# Altium PCB Magnetic-Sequencer.PcbDoc (part 3 of 3) (continued)
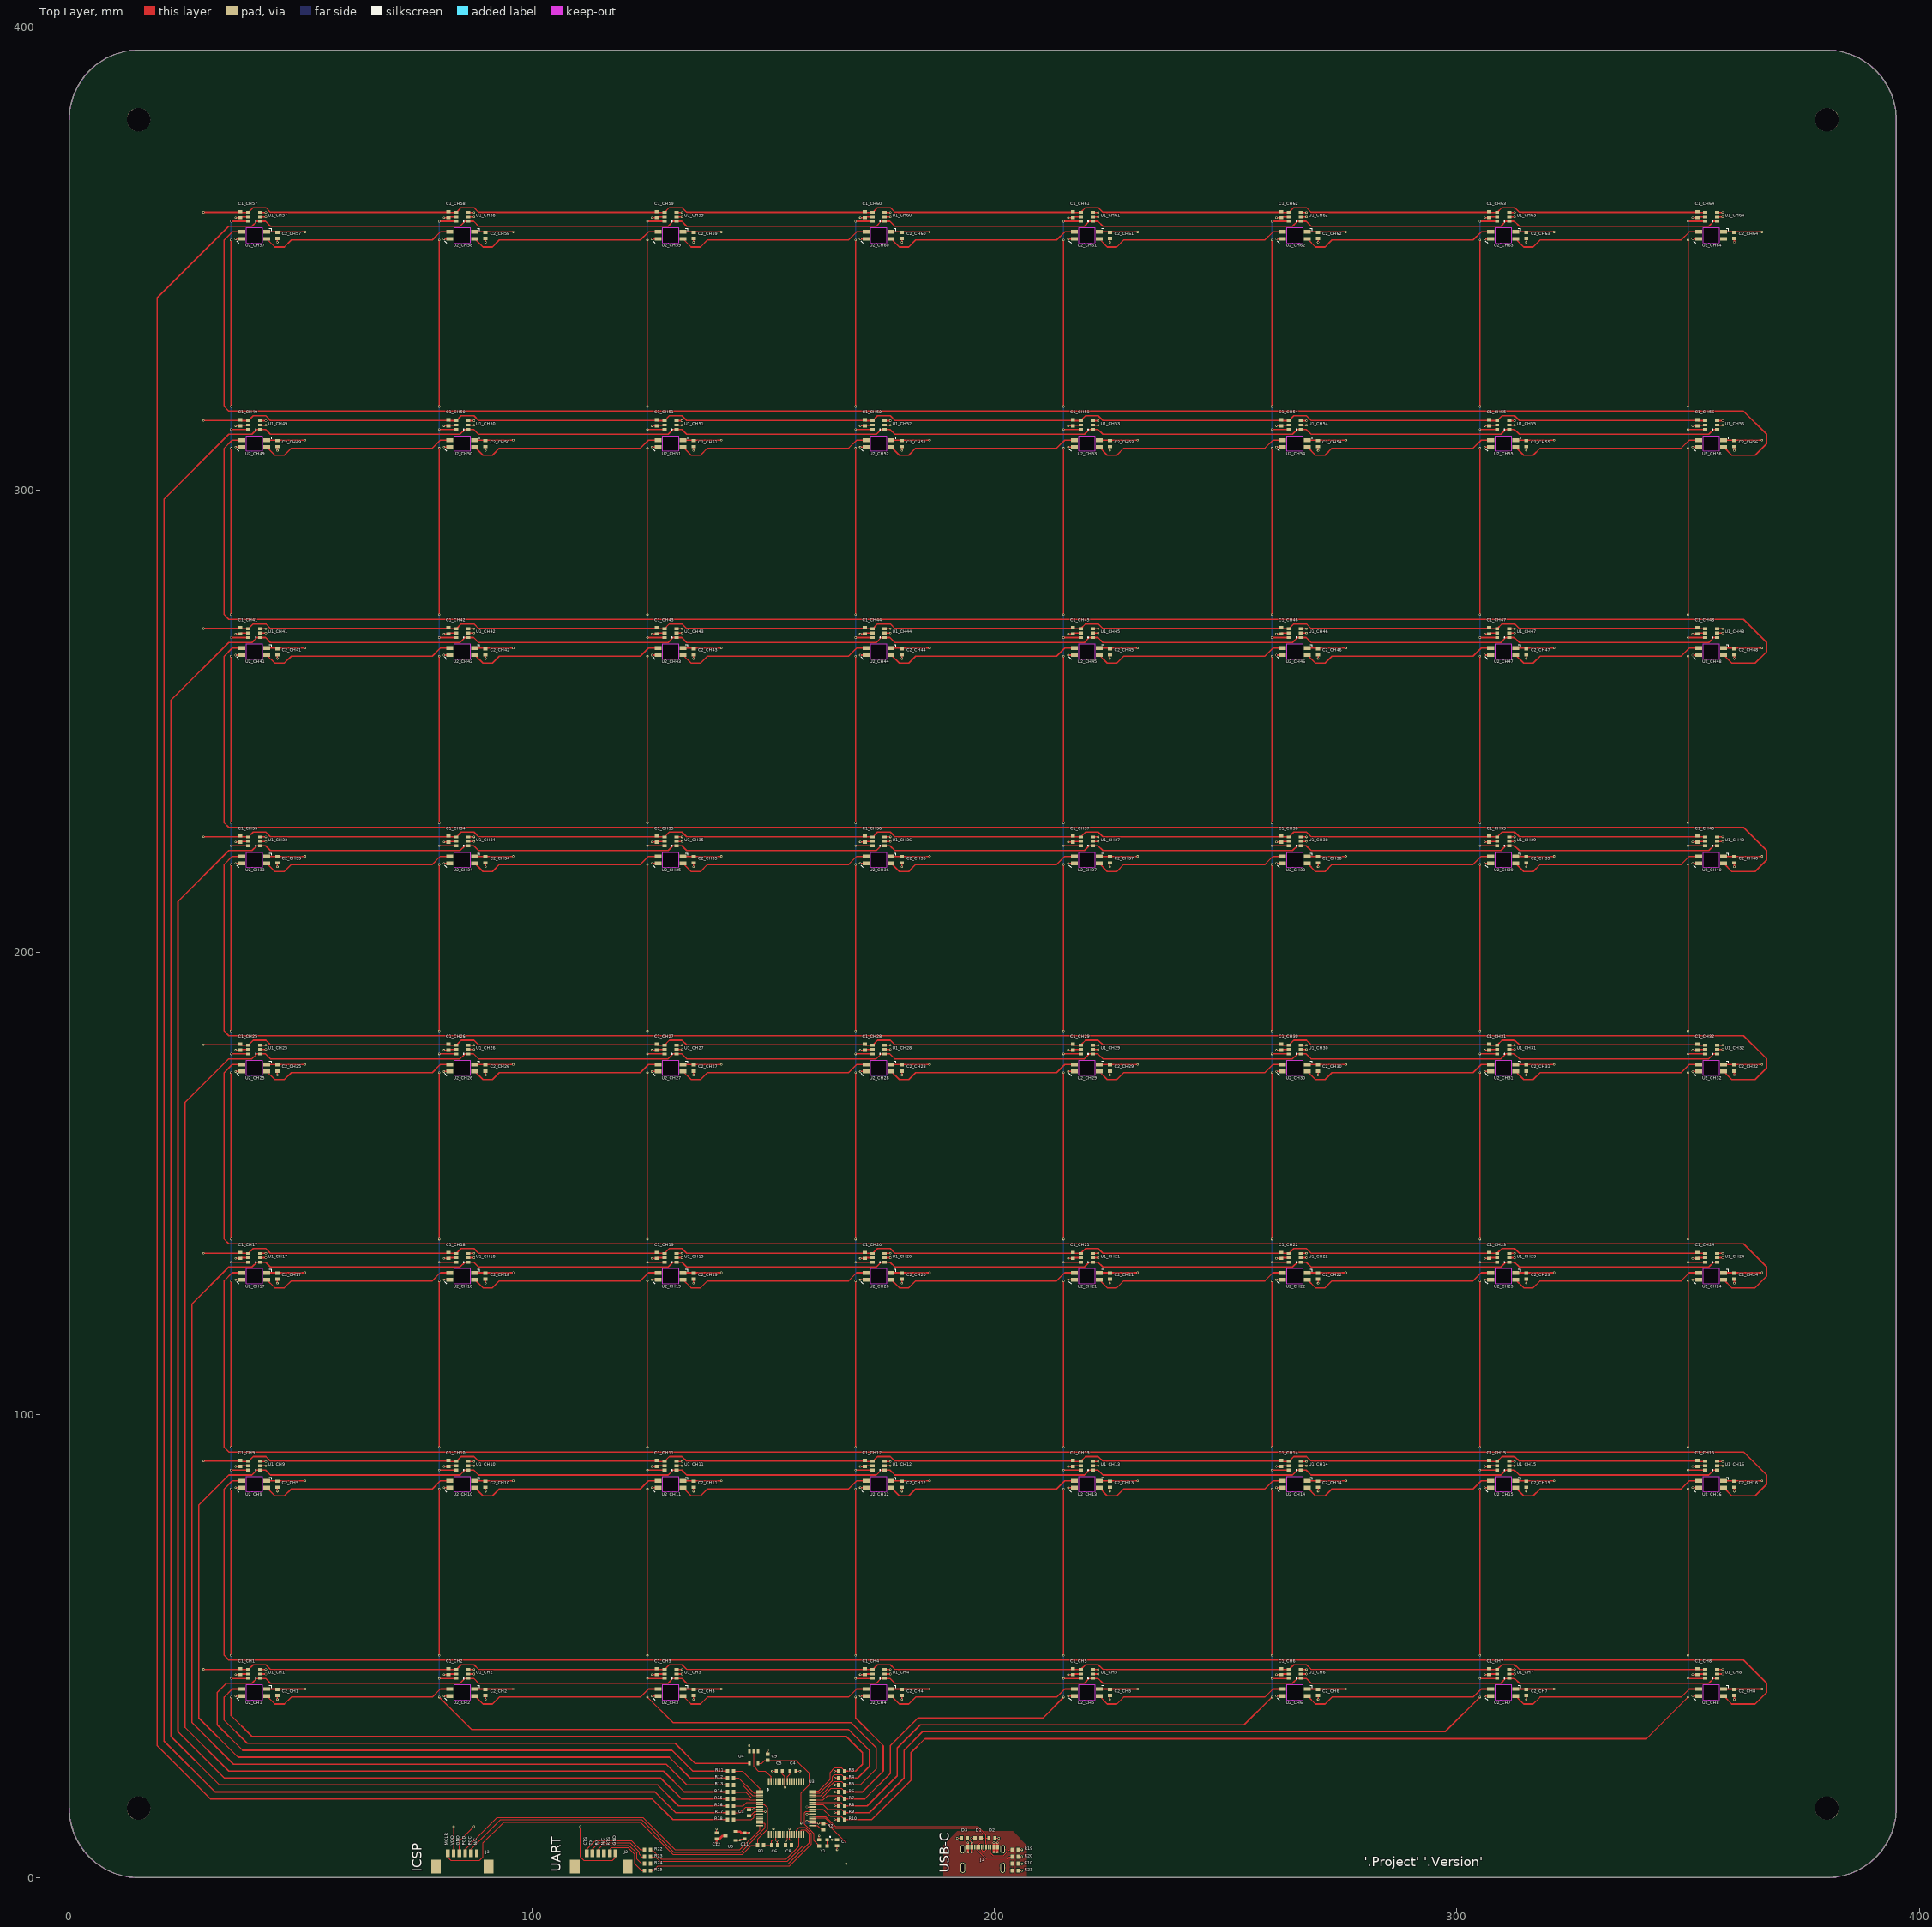
[diagram p0: Top Layer view]
## Nets (pads, with @x,y where several pads share a name; then routed paths per layer and width w, separated by ;. In a path a pad name is that pad's centre, name@x,y a point inside that pad or via, vN(x,y) a via of type N, cw(c..) or ccw(c..) an arc to the next point about the centre after c; other vN are vias at no path point) (continued)
  other v1: 155,8 148,14.75
MCLR: J3.1 R1.1 U3.7 | length 87.9
  Top Layer w0.15: J3.1@81.875,5.254 81.875,4.375 82.5,3.75 88.75,3.75 89.5,4.5 89.5,7.5 94,12 123.5,12 130.5,5 145.5,5 147.5,7 R1.1@148.85,7 148.85,8.35 151,10.5 151,15 150.25,15.75 U3.7@149.3,15.75
NetU2_CH64_2: U2_CH64.2
PGEC: J3.5 U3.15 | length 74.3
  Top Layer w0.15: J3.5@86.875,5.254 86.875,6.125 93.25,12.5 123.75,12.5 130.75,5.5 145.25,5.5 150.5,10.75 150.5,11.5 150.25,11.75 U3.15@149.3,11.75
PGED: J3.4 U3.16 | length 73
  Top Layer w0.15: J3.4@85.625,5.254 85.625,6.125 92.5,13 124,13 131,6 145,6 149.3,10.3 U3.16@149.3,11.25
RGB: U2_CH1.4 U4.4 | length 126.9
  Top Layer w0.3: U2_CH1.4@37.3,40.75 35.25,40.75 33.5,39 33.5,34 38.5,29 130.971,29 135.271,24.7 U4.4@147.05,24.7
"RGB LV": U3.63 U4.2 | length 9
  Top Layer w0.15: U4.2@148,27.3 148,24 149,23 150.5,23 151.75,21.75 U3.63@151.75,20.7
RTS: R25.2 U3.29 | length 44.5
  Top Layer w0.15: R25.2@125.65,1.5 126.25,1.5 127.25,2.5 155.75,2.5 160.5,7.25 160.5,9.5 159.1,10.9 157.9,10.9 157.25,10.25 U3.29@157.25,9.3
"RTS R": J2.5 R25.1 | length 11.7
  Top Layer w0.15: J2.5@116.875,5.254 116.875,6.125 117.25,6.5 120.75,6.5 122.25,5 122.25,3 123.75,1.5 R25.1@124.35,1.5
RX: R24.2 U3.31 | length 41.3
  Top Layer w0.15: R24.2@125.65,3 155.5,3 160,7.5 160,9.5 159.162,10.338 158.338,10.338 158.25,10.25 U3.31@158.25,9.3
"RX R": J2.3 R24.1 | length 13.6
  Top Layer w0.15: J2.3@114.375,5.254 114.375,6.125 115.25,7 121,7 122.75,5.25 122.75,4 123.75,3 R24.1@124.35,3
SCL0: R11.2 U1_CH1.1 U1_CH2.1 U1_CH3.1 U1_CH4.1 U1_CH5.1 U1_CH6.1 U1_CH7.1 U1_CH8.1 | length 453.1
  Top Layer w0.3: R11.2@142.35,23 134.849,23 130.349,27.5 37.5,27.5 32,33 32,40 34,42 39.5,42 40.55,43.05 U1_CH1.1@41.3,43.05 42.45,43.05 43.5,42 76,42 84.5,42 85.55,43.05 U1_CH2.1@86.3,43.05 87.45,43.05 88.5,42 120,42 129.5,42 130.55,43.05 U1_CH3.1@131.3,43.05 132.45,43.05 133.5,42 165,42 174.5,42 175.55,43.05 U1_CH4.1@176.3,43.05 177.45,43.05 178.5,42 212,42 219.5,42 220.55,43.05 U1_CH5.1@221.3,43.05 222.45,43.05 223.5,42 257,42 264.5,42 265.55,43.05 U1_CH6.1@266.3,43.05 267.45,43.05 268.5,42 301,42 309.5,42 310.55,43.05 U1_CH7.1@311.3,43.05 312.45,43.05 313.5,42 346,42 354.5,42 355.55,43.05 U1_CH8.1@356.3,43.05
"SCL0 R": R11.1 U3.1 | length 7.7
  Top Layer w0.15: R11.1@143.65,23 145.5,23 149.3,19.2 U3.1@149.3,18.75
SCL1: R12.2 U1_CH9.1 U1_CH10.1 U1_CH11.1 U1_CH12.1 U1_CH13.1 U1_CH14.1 U1_CH15.1 U1_CH16.1 | length 503.3
  Top Layer w0.3: R12.2@142.35,21.5 134.228,21.5 129.728,26 36.5,26 28,34.5 28,80.5 34.5,87 39.5,87 40.55,88.05 U1_CH9.1@41.3,88.05 42.45,88.05 43.5,87 75,87 84.5,87 85.55,88.05 U1_CH10.1@86.3,88.05 87.45,88.05 88.5,87 120,87 129.5,87 130.55,88.05 U1_CH11.1@131.3,88.05 132.45,88.05 133.5,87 160,87 174.5,87 175.55,88.05 U1_CH12.1@176.3,88.05 177.45,88.05 178.5,87 210,87 219.5,87 220.55,88.05 U1_CH13.1@221.3,88.05 222.45,88.05 223.5,87 255,87 264.5,87 265.55,88.05 U1_CH14.1@266.3,88.05 267.45,88.05 268.5,87 295,87 309.5,87 310.55,88.05 U1_CH15.1@311.3,88.05 312.45,88.05 313.5,87 340,87 354.5,87 355.55,88.05 U1_CH16.1@356.3,88.05
"SCL1 R": R12.1 U3.2 | length 7
  Top Layer w0.15: R12.1@143.65,21.5 144.75,21.5 148,18.25 U3.2@149.3,18.25
SCL2: R13.2 U1_CH17.1 U1_CH18.1 U1_CH19.1 U1_CH20.1 U1_CH21.1 U1_CH22.1 U1_CH23.1 U1_CH24.1 | length 551.6
  Top Layer w0.3: R13.2@142.35,20 133.607,20 129.107,24.5 35.5,24.5 26.5,33.5 26.5,124 34.5,132 39.5,132 40.55,133.05 U1_CH17.1@41.3,133.05 42.45,133.05 43.5,132 70,132 84.5,132 85.55,133.05 U1_CH18.1@86.3,133.05 87.45,133.05 88.5,132 115,132 129.5,132 130.55,133.05 U1_CH19.1@131.3,133.05 132.45,133.05 133.5,132 160,132 174.5,132 175.55,133.05 U1_CH20.1@176.3,133.05 177.45,133.05 178.5,132 203,132 219.5,132 220.55,133.05 U1_CH21.1@221.3,133.05 222.45,133.05 223.5,132 250,132 264.5,132 265.55,133.05 U1_CH22.1@266.3,133.05 267.45,133.05 268.5,132 293,132 309.5,132 310.55,133.05 U1_CH23.1@311.3,133.05 312.45,133.05 313.5,132 338,132 354.5,132 355.55,133.05 U1_CH24.1@356.3,133.05
"SCL2 R": R13.1 U3.3 | length 6.6
  Top Layer w0.15: R13.1@143.65,20 145.5,20 147.75,17.75 U3.3@149.3,17.75
SCL3: R14.2 U1_CH25.1 U1_CH26.1 U1_CH27.1 U1_CH28.1 U1_CH29.1 U1_CH30.1 U1_CH31.1 U1_CH32.1 | length 599.9
  Top Layer w0.3: R14.2@142.35,18.5 132.985,18.5 128.485,23 34.5,23 25,32.5 25,167.5 34.5,177 39.5,177 40.55,178.05 U1_CH25.1@41.3,178.05 42.45,178.05 43.5,177 75,177 84.5,177 85.55,178.05 U1_CH26.1@86.3,178.05 87.45,178.05 88.5,177 115,177 129.5,177 130.55,178.05 U1_CH27.1@131.3,178.05 132.45,178.05 133.5,177 165,177 174.5,177 175.55,178.05 U1_CH28.1@176.3,178.05 177.45,178.05 178.5,177 210,177 219.5,177 220.55,178.05 U1_CH29.1@221.3,178.05 222.45,178.05 223.5,177 250,177 264.5,177 265.55,178.05 U1_CH30.1@266.3,178.05 267.45,178.05 268.5,177 300,177 309.5,177 310.55,178.05 U1_CH31.1@311.3,178.05 312.45,178.05 313.5,177 345,177 354.5,177 355.55,178.05 U1_CH32.1@356.3,178.05
"SCL3 R": R14.1 U3.4 | length 6.2
  Top Layer w0.15: R14.1@143.65,18.5 146.25,18.5 147.5,17.25 U3.4@149.3,17.25
SCL4: R15.2 U1_CH33.1 U1_CH34.1 U1_CH35.1 U1_CH36.1 U1_CH37.1 U1_CH38.1 U1_CH39.1 U1_CH40.1 | length 648.2
  Top Layer w0.3: R15.2@142.35,17 132.364,17 127.864,21.5 33.5,21.5 23.5,31.5 23.5,211 34.5,222 39.5,222 40.55,223.05 U1_CH33.1@41.3,223.05 42.45,223.05 43.5,222 68,222 84.5,222 85.55,223.05 U1_CH34.1@86.3,223.05 87.45,223.05 88.5,222 112,222 129.5,222 130.55,223.05 U1_CH35.1@131.3,223.05 132.45,223.05 133.5,222 166,222 174.5,222 175.55,223.05 U1_CH36.1@176.3,223.05 177.45,223.05 178.5,222 205,222 219.5,222 220.55,223.05 U1_CH37.1@221.3,223.05 222.45,223.05 223.5,222 249,222 264.5,222 265.55,223.05 U1_CH38.1@266.3,223.05 267.45,223.05 268.5,222 293,222 309.5,222 310.55,223.05 U1_CH39.1@311.3,223.05 312.45,223.05 313.5,222 339,222 354.5,222 355.55,223.05 U1_CH40.1@356.3,223.05
"SCL4 R": R15.1 U3.5 | length 5.8
  Top Layer w0.15: R15.1@143.65,17 147,17 147.25,16.75 U3.5@149.3,16.75
SCL5: R16.2 U1_CH41.1 U1_CH42.1 U1_CH43.1 U1_CH44.1 U1_CH45.1 U1_CH46.1 U1_CH47.1 U1_CH48.1 | length 696.6
  Top Layer w0.3: R16.2@142.35,15.5 131.743,15.5 127.243,20 32.5,20 22,30.5 22,254.5 34.5,267 39.5,267 40.55,268.05 U1_CH41.1@41.3,268.05 42.45,268.05 43.5,267 68,267 84.5,267 85.55,268.05 U1_CH42.1@86.3,268.05 87.45,268.05 88.5,267 112,267 129.5,267 130.55,268.05 U1_CH43.1@131.3,268.05 132.45,268.05 133.5,267 159,267 174.5,267 175.55,268.05 U1_CH44.1@176.3,268.05 177.45,268.05 178.5,267 212,267 219.5,267 220.55,268.05 U1_CH45.1@221.3,268.05 222.45,268.05 223.5,267 249,267 264.5,267 265.55,268.05 U1_CH46.1@266.3,268.05 267.45,268.05 268.5,267 294,267 309.5,267 310.55,268.05 U1_CH47.1@311.3,268.05 312.45,268.05 313.5,267 339,267 354.5,267 355.55,268.05 U1_CH48.1@356.3,268.05
"SCL5 R": R16.1 U3.6 | length 6
  Top Layer w0.15: R16.1@143.65,15.5 145.75,15.5 146.5,16.25 U3.6@149.3,16.25
SCL6: R17.2 U1_CH49.1 U1_CH50.1 U1_CH51.1 U1_CH52.1 U1_CH53.1 U1_CH54.1 U1_CH55.1 U1_CH56.1 | length 744.9
  Top Layer w0.3: R17.2@142.35,14 131.121,14 126.621,18.5 31.5,18.5 20.5,29.5 20.5,298 34.5,312 39.5,312 40.55,313.05 U1_CH49.1@41.3,313.05 42.45,313.05 43.5,312 69,312 84.5,312 85.55,313.05 U1_CH50.1@86.3,313.05 87.45,313.05 88.5,312 121,312 129.5,312 130.55,313.05 U1_CH51.1@131.3,313.05 132.45,313.05 133.5,312 158,312 174.5,312 175.55,313.05 U1_CH52.1@176.3,313.05 177.45,313.05 178.5,312 211,312 219.5,312 220.55,313.05 U1_CH53.1@221.3,313.05 222.45,313.05 223.5,312 245,312 264.5,312 265.55,313.05 U1_CH54.1@266.3,313.05 267.45,313.05 268.5,312 294,312 309.5,312 310.55,313.05 U1_CH55.1@311.3,313.05 312.45,313.05 313.5,312 339,312 354.5,312 355.55,313.05 U1_CH56.1@356.3,313.05
"SCL6 R": R17.1 U3.8 | length 6.2
  Top Layer w0.15: R17.1@143.65,14 145,14 146.25,15.25 U3.8@149.3,15.25
SCL7: R18.2 U1_CH57.1 U1_CH58.1 U1_CH59.1 U1_CH60.1 U1_CH61.1 U1_CH62.1 U1_CH63.1 U1_CH64.1 | length 793.2
  Top Layer w0.3: R18.2@142.35,12.5 130.5,12.5 126,17 30.5,17 19,28.5 19,341.5 34.5,357 39.5,357 40.55,358.05 U1_CH57.1@41.3,358.05 42.45,358.05 43.5,357 68,357 84.5,357 85.55,358.05 U1_CH58.1@86.3,358.05 87.45,358.05 88.5,357 113,357 129.5,357 130.55,358.05 U1_CH59.1@131.3,358.05 132.45,358.05 133.5,357 159,357 174.5,357 175.55,358.05 U1_CH60.1@176.3,358.05 177.45,358.05 178.5,357 210,357 219.5,357 220.55,358.05 U1_CH61.1@221.3,358.05 222.45,358.05 223.5,357 249,357 264.5,357 265.55,358.05 U1_CH62.1@266.3,358.05 267.45,358.05 268.5,357 294,357 309.5,357 310.55,358.05 U1_CH63.1@311.3,358.05 312.45,358.05 313.5,357 338,357 354.5,357 355.55,358.05 U1_CH64.1@356.3,358.05
"SCL7 R": R18.1 U3.11 | length 6.5
  Top Layer w0.15: R18.1@143.65,12.5 147.5,12.5 148,13 148,13.5 148.25,13.75 U3.11@149.3,13.75
SDA0: R3.1 U1_CH1.6 U1_CH9.6 U1_CH17.6 U1_CH25.6 U1_CH33.6 U1_CH41.6 U1_CH49.6 U1_CH57.6 U3.48 | length 509.7
  Top Layer w0.15: U3.48@160.7,18.75 162,18.75 164.5,21.25 164.5,22.75 165.5,23.75 167,23.75 167.65,23.1 R3.1@167.65,23
  Top Layer w0.3: v1(35,39) 35,35 39.5,30.5 168,30.5 171.5,27 171.5,24.5 170,23 R3.1@167.65,23 ; v1(35,43.05) U1_CH1.6@38.7,43.05 ; v1(35,48) v1(35,84) ; v1(35,88.05) U1_CH9.6@38.7,88.05 ; v1(35,93) v1(35,129) ; v1(35,133.05) U1_CH17.6@38.7,133.05 ; v1(35,138) v1(35,174) ; v1(35,178.05) U1_CH25.6@38.7,178.05 ; v1(35,183) v1(35,219) ; v1(35,223.05) U1_CH33.6@38.7,223.05 ; v1(35,228) v1(35,264) ; v1(35,268.05) U1_CH41.6@38.7,268.05 ; v1(35,273) v1(35,309) ; v1(35,313.05) U1_CH49.6@38.7,313.05 ; v1(35,318) v1(35,354) ; v1(35,358.05) U1_CH57.6@38.7,358.05
  Bottom Layer w0.3: v1(35,39) v1(35,43.05) v1(35,48) ; v1(35,84) v1(35,88.05) v1(35,93) ; v1(35,129) v1(35,133.05) v1(35,138) ; v1(35,174) v1(35,178.05) v1(35,183) ; v1(35,219) v1(35,223.05) v1(35,228) ; v1(35,264) v1(35,268.05) v1(35,273) ; v1(35,309) v1(35,313.05) v1(35,318) ; v1(35,354) v1(35,358.05)
SDA1: R4.1 U1_CH2.6 U1_CH10.6 U1_CH18.6 U1_CH26.6 U1_CH34.6 U1_CH42.6 U1_CH50.6 U1_CH58.6 U3.47 | length 465.7
  Top Layer w0.15: U3.47@160.7,18.25 162.25,18.25 165,21 165,21.75 165.5,22.25 167,22.25 167.65,21.6 R4.1@167.65,21.5
  Top Layer w0.3: v1(80,39) 84.5,34.5 87,32 168.5,32 173,27.5 173,24 170.5,21.5 R4.1@167.65,21.5 ; v1(80,43.05) U1_CH2.6@83.7,43.05 ; v1(80,48) v1(80,84) ; v1(80,88.05) U1_CH10.6@83.7,88.05 ; v1(80,93) v1(80,129) ; v1(80,133.05) U1_CH18.6@83.7,133.05 ; v1(80,138) v1(80,174) ; v1(80,178.05) U1_CH26.6@83.7,178.05 ; v1(80,183) v1(80,219) ; v1(80,223.05) U1_CH34.6@83.7,223.05 ; v1(80,228) v1(80,264) ; v1(80,268.05) U1_CH42.6@83.7,268.05 ; v1(80,273) v1(80,309) ; v1(80,313.05) U1_CH50.6@83.7,313.05 ; v1(80,318) v1(80,354) ; v1(80,358.05) U1_CH58.6@83.7,358.05
  Bottom Layer w0.3: v1(80,39) v1(80,43.05) v1(80,48) ; v1(80,84) v1(80,88.05) v1(80,93) ; v1(80,129) v1(80,133.05) v1(80,138) ; v1(80,174) v1(80,178.05) v1(80,183) ; v1(80,219) v1(80,223.05) v1(80,228) ; v1(80,264) v1(80,268.05) v1(80,273) ; v1(80,309) v1(80,313.05) v1(80,318) ; v1(80,354) v1(80,358.05)
SDA2: R5.1 U1_CH3.6 U1_CH11.6 U1_CH19.6 U1_CH27.6 U1_CH35.6 U1_CH43.6 U1_CH51.6 U1_CH59.6 U3.46 | length 424.1
  Top Layer w0.15: U3.46@160.7,17.75 162.5,17.75 165.5,20.75 167,20.75 167.65,20.1 R5.1@167.65,20
  Top Layer w0.3: v1(125,39) 130.5,33.5 131,33.5 169,33.5 174.5,28 174.5,23.5 171,20 R5.1@167.65,20 ; v1(125,43.05) U1_CH3.6@128.7,43.05 ; v1(125,48) v1(125,84) ; v1(125,88.05) U1_CH11.6@128.7,88.05 ; v1(125,93) v1(125,129) ; v1(125,133.05) U1_CH19.6@128.7,133.05 ; v1(125,138) v1(125,174) ; v1(125,178.05) U1_CH27.6@128.7,178.05 ; v1(125,183) v1(125,219) ; v1(125,223.05) U1_CH35.6@128.7,223.05 ; v1(125,228) v1(125,264) ; v1(125,268.05) U1_CH43.6@128.7,268.05 ; v1(125,273) v1(125,309) ; v1(125,313.05) U1_CH51.6@128.7,313.05 ; v1(125,318) v1(125,354) ; v1(125,358.05) U1_CH59.6@128.7,358.05
  Bottom Layer w0.3: v1(125,39) v1(125,43.05) v1(125,48) ; v1(125,84) v1(125,88.05) v1(125,93) ; v1(125,129) v1(125,133.05) v1(125,138) ; v1(125,174) v1(125,178.05) v1(125,183) ; v1(125,219) v1(125,223.05) v1(125,228) ; v1(125,264) v1(125,268.05) v1(125,273) ; v1(125,309) v1(125,313.05) v1(125,318) ; v1(125,354) v1(125,358.05)
SDA3: R6.1 U1_CH4.6 U1_CH12.6 U1_CH20.6 U1_CH28.6 U1_CH36.6 U1_CH44.6 U1_CH52.6 U1_CH60.6 U3.45 | length 385.5
  Top Layer w0.15: U3.45@160.7,17.25 162.75,17.25 164.75,19.25 167,19.25 167.65,18.6 R6.1@167.65,18.5
  Top Layer w0.3: R6.1@167.65,18.5 171.5,18.5 176,23 176,28.5 170,34.5 v1(170,39) ; v1(170,43.05) U1_CH4.6@173.7,43.05 ; v1(170,48) v1(170,84) ; v1(170,88.05) U1_CH12.6@173.7,88.05 ; v1(170,93) v1(170,129) ; v1(170,133.05) U1_CH20.6@173.7,133.05 ; v1(170,138) v1(170,174) ; v1(170,178.05) U1_CH28.6@173.7,178.05 ; v1(170,183) v1(170,219) ; v1(170,223.05) U1_CH36.6@173.7,223.05 ; v1(170,228) v1(170,264) ; v1(170,268.05) U1_CH44.6@173.7,268.05 ; v1(170,273) v1(170,309) ; v1(170,313.05) U1_CH52.6@173.7,313.05 ; v1(170,318) v1(170,354) ; v1(170,358.05) U1_CH60.6@173.7,358.05
  Bottom Layer w0.3: v1(170,39) v1(170,43.05) v1(170,48) ; v1(170,84) v1(170,88.05) v1(170,93) ; v1(170,129) v1(170,133.05) v1(170,138) ; v1(170,174) v1(170,178.05) v1(170,183) ; v1(170,219) v1(170,223.05) v1(170,228) ; v1(170,264) v1(170,268.05) v1(170,273) ; v1(170,309) v1(170,313.05) v1(170,318) ; v1(170,354) v1(170,358.05)
SDA4: R7.1 U1_CH5.6 U1_CH13.6 U1_CH21.6 U1_CH29.6 U1_CH37.6 U1_CH45.6 U1_CH53.6 U1_CH61.6 U3.44 | length 416.4
  Top Layer w0.15: U3.44@160.7,16.75 163,16.75 164,17.75 167,17.75 167.65,17.1 R7.1@167.65,17
  Top Layer w0.3: R7.1@167.65,17 172,17 177.5,22.5 177.5,28.5 183.445,34.445 210.5,34.445 215,38.945 v1(215,39) ; v1(215,43.05) U1_CH5.6@218.7,43.05 ; v1(215,48) v1(215,84) ; v1(215,88.05) U1_CH13.6@218.7,88.05 ; v1(215,93) v1(215,129) ; v1(215,133.05) U1_CH21.6@218.7,133.05 ; v1(215,138) v1(215,174) ; v1(215,178.05) U1_CH29.6@218.7,178.05 ; v1(215,183) v1(215,219) ; v1(215,223.05) U1_CH37.6@218.7,223.05 ; v1(215,228) v1(215,264) ; v1(215,268.05) U1_CH45.6@218.7,268.05 ; v1(215,273) v1(215,309) ; v1(215,313.05) U1_CH53.6@218.7,313.05 ; v1(215,318) v1(215,354) ; v1(215,358.05) U1_CH61.6@218.7,358.05
  Bottom Layer w0.3: v1(215,39) v1(215,43.05) v1(215,48) ; v1(215,84) v1(215,88.05) v1(215,93) ; v1(215,129) v1(215,133.05) v1(215,138) ; v1(215,174) v1(215,178.05) v1(215,183) ; v1(215,219) v1(215,223.05) v1(215,228) ; v1(215,264) v1(215,268.05) v1(215,273) ; v1(215,309) v1(215,313.05) v1(215,318) ; v1(215,354) v1(215,358.05)
SDA5: R8.1 U1_CH6.6 U1_CH14.6 U1_CH22.6 U1_CH30.6 U1_CH38.6 U1_CH46.6 U1_CH54.6 U1_CH62.6 U3.43 | length 461.5
  Top Layer w0.15: U3.43@160.7,16.25 166.9,16.25 R8.1@167.65,15.5
  Top Layer w0.3: R8.1@167.65,15.5 172.5,15.5 179,22 179,28 184,33 254,33 v1(260,39) ; v1(260,43.05) U1_CH6.6@263.7,43.05 ; v1(260,48) v1(260,84) ; v1(260,88.05) U1_CH14.6@263.7,88.05 ; v1(260,93) v1(260,129) ; v1(260,133.05) U1_CH22.6@263.7,133.05 ; v1(260,138) v1(260,174) ; v1(260,178.05) U1_CH30.6@263.7,178.05 ; v1(260,183) v1(260,219) ; v1(260,223.05) U1_CH38.6@263.7,223.05 ; v1(260,228) v1(260,264) ; v1(260,268.05) U1_CH46.6@263.7,268.05 ; v1(260,273) v1(260,309) ; v1(260,313.05) U1_CH54.6@263.7,313.05 ; v1(260,318) v1(260,354) ; v1(260,358.05) U1_CH62.6@263.7,358.05
  Bottom Layer w0.3: v1(260,39) v1(260,43.05) v1(260,48) ; v1(260,84) v1(260,88.05) v1(260,93) ; v1(260,129) v1(260,133.05) v1(260,138) ; v1(260,174) v1(260,178.05) v1(260,183) ; v1(260,219) v1(260,223.05) v1(260,228) ; v1(260,264) v1(260,268.05) v1(260,273) ; v1(260,309) v1(260,313.05) v1(260,318) ; v1(260,354) v1(260,358.05)
SDA6: R9.1 U1_CH7.6 U1_CH15.6 U1_CH23.6 U1_CH31.6 U1_CH39.6 U1_CH47.6 U1_CH55.6 U1_CH63.6 U3.42 | length 507.6
  Top Layer w0.15: U3.42@160.7,15.75 163,15.75 164,14.75 167,14.75 167.65,14.1 R9.1@167.65,14
  Top Layer w0.3: R9.1@167.65,14 173,14 180.5,21.5 180.5,27.5 184.5,31.5 297.5,31.5 v1(305,39) ; v1(305,43.05) U1_CH7.6@308.7,43.05 ; v1(305,48) v1(305,84) ; v1(305,88.05) U1_CH15.6@308.7,88.05 ; v1(305,93) v1(305,129) ; v1(305,133.05) U1_CH23.6@308.7,133.05 ; v1(305,138) v1(305,174) ; v1(305,178.05) U1_CH31.6@308.7,178.05 ; v1(305,183) v1(305,219) ; v1(305,223.05) U1_CH39.6@308.7,223.05 ; v1(305,228) v1(305,264) ; v1(305,268.05) U1_CH47.6@308.7,268.05 ; v1(305,273) v1(305,309) ; v1(305,313.05) U1_CH55.6@308.7,313.05 ; v1(305,318) v1(305,354) ; v1(305,358.05) U1_CH63.6@308.7,358.05
  Bottom Layer w0.3: v1(305,39) v1(305,43.05) v1(305,48) ; v1(305,84) v1(305,88.05) v1(305,93) ; v1(305,129) v1(305,133.05) v1(305,138) ; v1(305,174) v1(305,178.05) v1(305,183) ; v1(305,219) v1(305,223.05) v1(305,228) ; v1(305,264) v1(305,268.05) v1(305,273) ; v1(305,309) v1(305,313.05) v1(305,318) ; v1(305,354) v1(305,358.05)
SDA7: R10.1 U1_CH8.6 U1_CH16.6 U1_CH24.6 U1_CH32.6 U1_CH40.6 U1_CH48.6 U1_CH56.6 U1_CH64.6 U3.40 | length 553.4
  Top Layer w0.15: U3.40@160.7,14.75 163,14.75 164.5,13.25 166.9,13.25 R10.1@167.65,12.5
  Top Layer w0.3: R10.1@167.65,12.5 173.5,12.5 182,21 182,27 185,30 341,30 v1(350,39) ; v1(350,43.05) U1_CH8.6@353.7,43.05 ; v1(350,48) v1(350,84) ; v1(350,88.05) U1_CH16.6@353.7,88.05 ; v1(350,93) v1(350,129) ; v1(350,133.05) U1_CH24.6@353.7,133.05 ; v1(350,138) v1(350,174) ; v1(350,178.05) U1_CH32.6@353.7,178.05 ; v1(350,183) v1(350,219) ; v1(350,223.05) U1_CH40.6@353.7,223.05 ; v1(350,228) v1(350,264) ; v1(350,268.05) U1_CH48.6@353.7,268.05 ; v1(350,273) v1(350,309) ; v1(350,313.05) U1_CH56.6@353.7,313.05 ; v1(350,318) v1(350,354) ; v1(350,358.05) U1_CH64.6@353.7,358.05
  Bottom Layer w0.3: v1(350,39) v1(350,43.05) v1(350,48) ; v1(350,84) v1(350,88.05) v1(350,93) ; v1(350,129) v1(350,133.05) v1(350,138) ; v1(350,174) v1(350,178.05) v1(350,183) ; v1(350,219) v1(350,223.05) v1(350,228) ; v1(350,264) v1(350,268.05) v1(350,273) ; v1(350,309) v1(350,313.05) v1(350,318) ; v1(350,354) v1(350,358.05)
SHELL: C10.2 J1.Shell R21.1
TX: R23.2 U3.32 | length 37.3
  Top Layer w0.15: R23.2@125.65,4.5 126.75,4.5 127.75,3.5 155.25,3.5 158.75,7 U3.32@158.75,9.3
"TX R": J2.2 R23.1 | length 14.2
  Top Layer w0.15: J2.2@113.125,5.254 113.125,6.125 114.5,7.5 121.25,7.5 123.25,5.5 123.25,5 123.75,4.5 R23.1@124.35,4.5
VBUS: "J1.A4 B9" "J1.B4 A9" C2_CH1.2 C2_CH2.2 C2_CH3.2 C2_CH4.2 C2_CH5.2 C2_CH6.2 C2_CH7.2 C2_CH8.2 C2_CH9.2 C2_CH10.2 C2_CH11.2 C2_CH12.2 C2_CH13.2 C2_CH14.2 C2_CH15.2 C2_CH16.2 C2_CH17.2 C2_CH18.2 C2_CH19.2 C2_CH20.2 C2_CH21.2 C2_CH22.2 C2_CH23.2 C2_CH24.2 C2_CH25.2 C2_CH26.2 C2_CH27.2 C2_CH28.2 C2_CH29.2 C2_CH30.2 C2_CH31.2 C2_CH32.2 C2_CH33.2 C2_CH34.2 C2_CH35.2 C2_CH36.2 C2_CH37.2 C2_CH38.2 C2_CH39.2 C2_CH40.2 C2_CH41.2 C2_CH42.2 C2_CH43.2 C2_CH44.2 C2_CH45.2 C2_CH46.2 C2_CH47.2 C2_CH48.2 C2_CH49.2 C2_CH50.2 C2_CH51.2 C2_CH52.2 C2_CH53.2 C2_CH54.2 C2_CH55.2 C2_CH56.2 C2_CH57.2 C2_CH58.2 C2_CH59.2 C2_CH60.2 C2_CH61.2 C2_CH62.2 C2_CH63.2 C2_CH64.2 C9.2 C12.2 D3.1 R2.2 U2_CH1.1 U2_CH2.1 U2_CH3.1 U2_CH4.1 U2_CH5.1 U2_CH6.1 U2_CH7.1 U2_CH8.1 U2_CH9.1 U2_CH10.1 U2_CH11.1 U2_CH12.1 U2_CH13.1 U2_CH14.1 U2_CH15.1 U2_CH16.1 U2_CH17.1 U2_CH18.1 U2_CH19.1 U2_CH20.1 U2_CH21.1 U2_CH22.1 U2_CH23.1 U2_CH24.1 U2_CH25.1 U2_CH26.1 U2_CH27.1 U2_CH28.1 U2_CH29.1 U2_CH30.1 U2_CH31.1 U2_CH32.1 U2_CH33.1 U2_CH34.1 U2_CH35.1 U2_CH36.1 U2_CH37.1 U2_CH38.1 U2_CH39.1 U2_CH40.1 U2_CH41.1 U2_CH42.1 U2_CH43.1 U2_CH44.1 U2_CH45.1 U2_CH46.1 U2_CH47.1 U2_CH48.1 U2_CH49.1 U2_CH50.1 U2_CH51.1 U2_CH52.1 U2_CH53.1 U2_CH54.1 U2_CH55.1 U2_CH56.1 U2_CH57.1 U2_CH58.1 U2_CH59.1 U2_CH60.1 U2_CH61.1 U2_CH62.1 U2_CH63.1 U2_CH64.1 U3.34 U4.5 U5.3 | length 580.9
  Top Layer w0.15: U4.5@148.95,24.7 149.7,24.7 150.35,25.35 C9.2@151,25.35 157.15,25.35 160,22.5 160,20 158.25,18.25 v1(158.25,11.75) ; U3.34@160.7,11.75 v1(162,11.75) 162.9,11.75 R2.2@163,11.65 163.85,11.65 168,7.5 v1(168,3) ; D3.1@194.15,8.5 v1(195.15,7.5)
  Top Layer w0.3: U2_CH1.1@42.7,40.75 v1(51,40.75) ; U2_CH9.1@42.7,85.75 v1(51,85.75) ; U2_CH17.1@42.7,130.75 v1(51,130.75) ; U2_CH25.1@42.7,175.75 v1(51,175.75) ; U2_CH33.1@42.7,220.75 v1(51,220.75) ; U2_CH41.1@42.7,265.75 v1(51,265.75) ; U2_CH49.1@42.7,310.75 v1(51,310.75) ; U2_CH57.1@42.7,355.75 v1(51,355.75) ; U2_CH2.1@87.7,40.75 v1(96,40.75) ; U2_CH10.1@87.7,85.75 v1(96,85.75) ; U2_CH18.1@87.7,130.75 v1(96,130.75) ; U2_CH26.1@87.7,175.75 v1(96,175.75) ; U2_CH34.1@87.7,220.75 v1(96,220.75) ; U2_CH42.1@87.7,265.75 v1(96,265.75) ; U2_CH50.1@87.7,310.75 v1(96,310.75) ; U2_CH58.1@87.7,355.75 v1(96,355.75) ; U2_CH3.1@132.7,40.75 v1(141,40.75) ; U2_CH11.1@132.7,85.75 v1(141,85.75) ; U2_CH19.1@132.7,130.75 v1(141,130.75) ; U2_CH27.1@132.7,175.75 v1(141,175.75) ; U2_CH35.1@132.7,220.75 v1(141,220.75) ; U2_CH43.1@132.7,265.75 v1(141,265.75) ; U2_CH51.1@132.7,310.75 v1(141,310.75) ; U2_CH59.1@132.7,355.75 v1(141,355.75) ; U2_CH4.1@177.7,40.75 v1(186,40.75) ; U2_CH12.1@177.7,85.75 v1(186,85.75) ; U2_CH20.1@177.7,130.75 v1(186,130.75) ; U2_CH28.1@177.7,175.75 v1(186,175.75) ; U2_CH36.1@177.7,220.75 v1(186,220.75) ; U2_CH44.1@177.7,265.75 v1(186,265.75) ; U2_CH52.1@177.7,310.75 v1(186,310.75) ; U2_CH60.1@177.7,355.75 v1(186,355.75) ; U2_CH5.1@222.7,40.75 v1(231,40.75) ; U2_CH13.1@222.7,85.75 v1(231,85.75) ; U2_CH21.1@222.7,130.75 v1(231,130.75) ; U2_CH29.1@222.7,175.75 v1(231,175.75) ; U2_CH37.1@222.7,220.75 v1(231,220.75) ; U2_CH45.1@222.7,265.75 v1(231,265.75) ; U2_CH53.1@222.7,310.75 v1(231,310.75) ; U2_CH61.1@222.7,355.75 v1(231,355.75) ; U2_CH6.1@267.7,40.75 v1(276,40.75) ; U2_CH14.1@267.7,85.75 v1(276,85.75) ; U2_CH22.1@267.7,130.75 v1(276,130.75) ; U2_CH30.1@267.7,175.75 v1(276,175.75) ; U2_CH38.1@267.7,220.75 v1(276,220.75) ; U2_CH46.1@267.7,265.75 v1(276,265.75) ; U2_CH54.1@267.7,310.75 v1(276,310.75) ; U2_CH62.1@267.7,355.75 v1(276,355.75) ; U2_CH7.1@312.7,40.75 v1(321,40.75) ; U2_CH15.1@312.7,85.75 v1(321,85.75) ; U2_CH23.1@312.7,130.75 v1(321,130.75) ; U2_CH31.1@312.7,175.75 v1(321,175.75) ; U2_CH39.1@312.7,220.75 v1(321,220.75) ; U2_CH47.1@312.7,265.75 v1(321,265.75) ; U2_CH55.1@312.7,310.75 v1(321,310.75) ; U2_CH63.1@312.7,355.75 v1(321,355.75) ; U2_CH8.1@357.7,40.75 v1(366,40.75) ; U2_CH16.1@357.7,85.75 v1(366,85.75) ; U2_CH24.1@357.7,130.75 v1(366,130.75) ; U2_CH32.1@357.7,175.75 v1(366,175.75) ; U2_CH40.1@357.7,220.75 v1(366,220.75) ; U2_CH48.1@357.7,265.75 v1(366,265.75) ; U2_CH56.1@357.7,310.75 v1(366,310.75) ; U2_CH64.1@357.7,355.75 v1(366,355.75)
  Top Layer w0.5: v1(140,7.5) C12.2@140,8.35 140.6,8.35 141.25,9 U5.3@141.9,9 ; v1(195.15,5.5) 195.15,6.625 v1(195.15,7.5) ; v1(199.9,5.5) 199.9,6.625 v1(199.9,7.5)
  Bottom Layer w0.15: v1(158.25,11.75) v1(162,11.75)
"VBUS Detect": R2.1 U3.33 | length 2.7
  Top Layer w0.15: U3.33@160.7,11.25 161.75,11.25 162.65,10.35 R2.1@163,10.35
VCAP: C4.2 U3.56 | length 2.5
  Top Layer w0.15: U3.56@155.25,20.7 155.25,21.75 155.85,22.35 C4.2@155.85,23
pads on no net: "J2.Fitting Nail" "J3.Fitting Nail" J1.A8 J1.B8 J2.4 J3.6 U3.12 U3.13 U3.14 U3.17 U3.18 U3.21 U3.22 U3.23 U3.24 U3.27 U3.28 U3.49 U3.50 U3.51 U3.52 U3.53 U3.54 U3.55 U3.58 U3.59 U3.60 U3.61 U3.62 U3.64 U4.1

## Polygon pours and split planes (outlines as drawn)
GND on Bottom Layer "GND_L02_P003" (solid, remove dead copper, pour order 3): 0,0 395,0 395,395 0,395
3.3V on Bottom Layer "3.3V_L02_P001" (solid, remove dead copper, pour order 1): 153.5,22 158.5,17 158.5,15 159,14.5 160,14.5 160.5,15 160.5,19.5 163,22 165,24 166,24 166.5,23.5 166.5,8.5 165.5,7.5 164.5,7.5 164,8 164,9 163,10 161.5,10 160.5,9 146.5,9 146,9.5 145.974,9.526 145.974,10.474 149,13.5 149,15.5 148.5,16 147,16 146,15 90,15 85,10 35,10 20,25 20,375 30,375 30,30 40,20 80,20 85,25 148,25 151,22
VBUS on Bottom Layer "VBUS_L02_P000" (solid, remove dead copper, pour order 0): 20,25 35,10 138,10 144,4 194.75,4 194.75,8 200.25,8 200.25,0 0,0 0,395 370,395 370,40 365,40 365,375 325,375 325,40 320,40 320,375 280,375 280,40 275,40 275,375 235,375 235,40 230,40 230,375 190,375 190,40 185,40 185,375 145,375 145,40 140,40 140,375 100,375 100,40 95,40 95,375 55,375 55,40 50,40 50,375 20,375
SHELL on Top Layer "SHELL_L01_P002" (solid, pour order 2): 192,10 189,7 189,0 207,0 207,7 204,10

## Keep-outs
Keep-Out Layer:
  the board outline again, w0.15

## Silkscreen, mask and mechanical layers (free items; w line width, h text height)
Top Overlay:
  text "MCLR" at 82.137,6.92 h1.2 r90
  text "VDD" at 83.42,6.92 h1.2 r90
  text "GND" at 84.677,6.92 h1.2 r90
  text "PGD" at 85.947,6.92 h1.2 r90
  text "PGC" at 87.217,6.92 h1.2 r90
  text "N/C" at 88.487,6.92 h1.2 r90
  text "CTS" at 112.137,6.92 h1.2 r90
  text "TX" at 113.42,6.92 h1.2 r90
  text "RX" at 114.69,6.92 h1.2 r90
  text "N/C" at 115.947,6.92 h1.2 r90
  text "RTS" at 117.217,6.92 h1.2 r90
  text "GND" at 118.487,6.92 h1.2 r90
  text "'.Project' '.Version'" at 280,1.659 h3.5
  text "ICSP" at 76.961,1.255 h3.5 r90
  text "UART" at 106.962,1.254 h3.5 r90
  text "USB-C" at 190.961,1 h3.5 r90
Bottom Overlay:
  circle w0.5: c40,40 r21
  circle w0.5: c85,40 r21
  circle w0.5: c130,40 r21
  circle w0.5: c265,40 r21
  circle w0.5: c310,40 r21
  circle w0.5: c355,40 r21
  circle w0.5: c355,85 r21
  circle w0.5: c310,85 r21
  circle w0.5: c265,85 r21
  circle w0.5: c220,85 r21
  circle w0.5: c175,85 r21
  circle w0.5: c130,85 r21
  circle w0.5: c85,85 r21
  circle w0.5: c40,85 r21
  circle w0.5: c40,175 r21
  circle w0.5: c85,175 r21
  circle w0.5: c130,175 r21
  circle w0.5: c175,175 r21
  circle w0.5: c220,175 r21
  circle w0.5: c265,175 r21
  circle w0.5: c310,175 r21
  circle w0.5: c355,175 r21
  circle w0.5: c355,130 r21
  circle w0.5: c310,130 r21
  circle w0.5: c265,130 r21
  circle w0.5: c220,130 r21
  circle w0.5: c175,130 r21
  circle w0.5: c130,130 r21
  circle w0.5: c85,130 r21
  circle w0.5: c40,130 r21
  circle w0.5: c40,310 r21
  circle w0.5: c85,310 r21
  circle w0.5: c130,310 r21
  circle w0.5: c175,310 r21
  circle w0.5: c220,310 r21
  circle w0.5: c265,310 r21
  circle w0.5: c310,310 r21
  circle w0.5: c355,310 r21
  circle w0.5: c355,355 r21
  circle w0.5: c310,355 r21
  circle w0.5: c265,355 r21
  circle w0.5: c220,355 r21
  circle w0.5: c175,355 r21
  circle w0.5: c130,355 r21
  circle w0.5: c85,355 r21
  circle w0.5: c40,355 r21
  circle w0.5: c40,265 r21
  circle w0.5: c85,265 r21
  circle w0.5: c130,265 r21
  circle w0.5: c175,265 r21
  circle w0.5: c220,265 r21
  circle w0.5: c265,265 r21
  circle w0.5: c310,265 r21
  circle w0.5: c355,265 r21
  circle w0.5: c355,220 r21
  circle w0.5: c310,220 r21
  circle w0.5: c265,220 r21
  circle w0.5: c220,220 r21
  circle w0.5: c175,220 r21
  circle w0.5: c130,220 r21
  circle w0.5: c85,220 r21
  circle w0.5: c40,220 r21
  circle w0.5: c220,40 r21
  circle w0.5: c175,40 r21